# Altium PCB VOU_SOM_CV_V0.0.1.PcbDoc (part 3 of 4)
Units mm, origin at the board's own origin, x right, y up, seen from the top; angles counter-clockwise.
Board outline 61 x 95 mm, 6 copper layers (Top Layer, PWR1, INT1, INT2, PWR2, Bottom Layer), stack 1.205 mm thick; 473 components, 642 nets, 2975 pads, 831 vias.
Unrouted connection lines stored in the file: 1493.
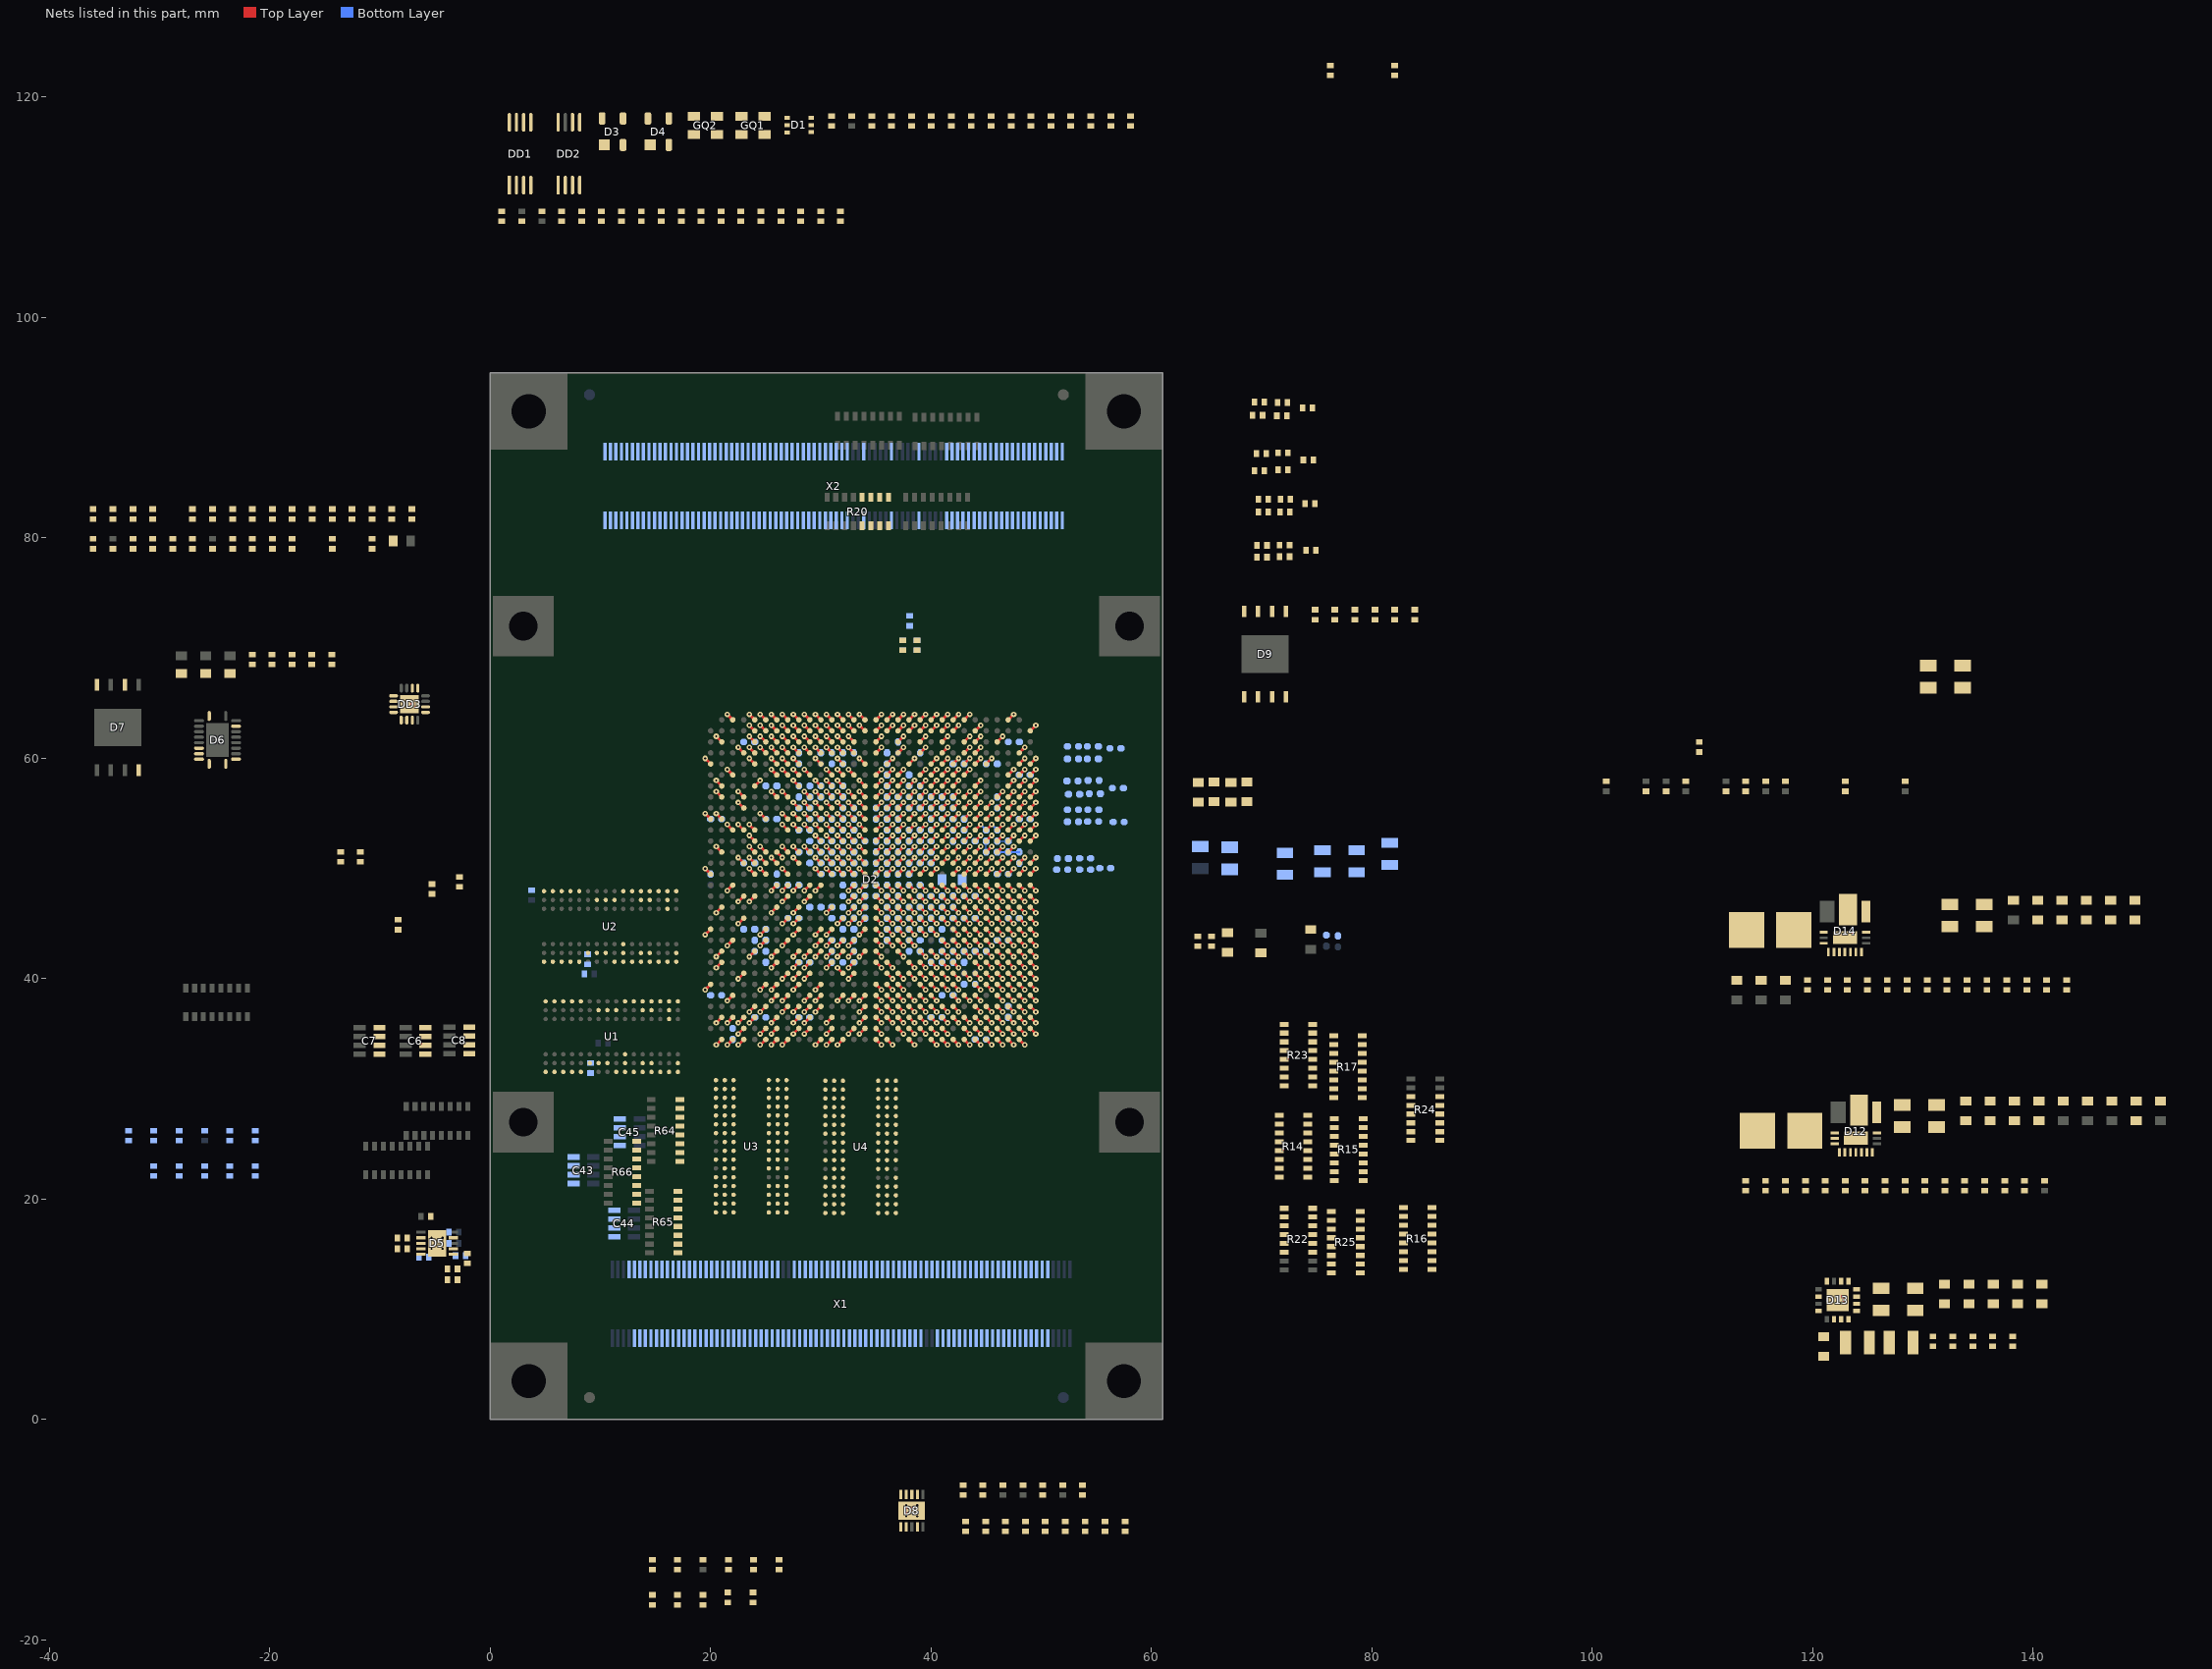
[diagram p3: the nets of this part, all layers, seen from the top]

## Via types
v1: diameter 0.5, hole 0.2, Top Layer to Bottom Layer, 831 vias

## Nets (pads, with @x,y where several pads share a name; then routed paths per layer and width w, separated by ;. In a path a pad name is that pad's centre, name@x,y a point inside that pad or via, vN(x,y) a via of type N, cw(c..) or ccw(c..) an arc to the next point about the centre after c; other vN are vias at no path point) (continued)
GND: C6.1 C6.2 C6.3 C6.4 C7.1 C7.2 C7.3 C7.4 C8.1 C8.2 C8.3 C8.4 C9.1 C10.1 C15.2 C16.2 C17.2 C18.2 C19.2 C20.2 C34.1 C35.1 C42.1 C43.1 C43.2 C43.3 C43.4 C44.1 C44.2 C44.3 C44.4 C45.1 C45.2 C45.3 C45.4 C46.2 C47.2 C48.2 C49.2 C50.2 C51.2 C52.1 C53.1 C54.1 C55.1 C56.1 C57.1 C60.1 C61.1 C62.1 C63.1 C64.1 C68.2 C69.2 C70.1 C72.2 C73.2 C75.2 C76.2 C77.2 C78.2 C79.2 C80.2 C81.1 C87.2 C88.2 C89.2 C90.2 C91.2 C92.2 C94.2 C95.2 C96.2 C97.2 C98.2 C99.2 C100.2 C101.1 C103.1 C105.1 C106.1 C107.1 C108.1 C109.1 C110.1 C111.1 C112.2 C113.1 C114.1 C115.1 C116.1 C117.1 C118.1 C119.1 C120.1 C121.1 C122.1 C123.1 C124.1 C125.1 C126.1 C127.1 C128.1 C129.1 C130.1 C131.1 C132.1 C133.1 C134.1 C135.1 C136.1 C137.2 C138.1 C139.1 C140.1 C141.1 C142.1 C143.1 C144.1 C145.1 C146.1 C147.1 C148.1 C149.1 C150.1 C151.1 C152.1 C153.1 C154.2 C155.1 C156.1 C157.1 C158.1 C159.1 C160.1 C161.1 C162.2 C163.2 C164.1 C165.1 C166.1 C167.2 C168.2 C169.2 C170.2 C171.2 C172.2 C173.2 C174.2 C175.2 C176.1 C177.1 C178.1 C179.1 C180.2 C181.2 C182.2 C183.2 C184.2 C185.2 C186.2 C187.2 C188.2 C189.2 C190.2 C191.2 C192.2 C193.2 C194.1 C195.1 C196.1 C197.1 C198.1 C199.1 C200.1 C201.1 C202.2 C203.2 C204.2 C205.2 C206.1 C207.1 C208.1 C209.1 C210.1 C211.1 C212.1 C213.1 C214.1 C215.1 C216.1 C217.1 C218.1 C219.1 C220.1 C221.1 C222.1 C223.1 C224.1 C225.1 C226.1 C227.2 C228.2 C230.1 C231.1 C232.1 C233.1 C234.1 C235.1 C236.1 C237.1 C238.1 C239.1 C240.1 C241.1 C242.1 C243.1 C244.1 C245.1 C246.2 C247.2 C249.1 C250.1 C251.1 C252.1 C253.1 C254.1 C255.1 C256.1 C257.1 C258.1 C259.1 C260.1 C261.1 C262.1 C263.1 C264.1 C265.1 C266.1 C268.2 D2.A2 D2.A12 D2.A17 D2.A22 D2.A26 D2.A27 D2.AA3 D2.AA4 D2.AA6 D2.AA9 D2.AA11 D2.AA22 D2.AA29 D2.AB1 D2.AB2 D2.AB5 D2.AB7 D2.AB19 D2.AB29 D2.AC3 D2.AC4 D2.AC6 D2.AC8 D2.AC16 D2.AC24 D2.AC26 D2.AD1 D2.AD2 D2.AD5 D2.AD6 D2.AD23 D2.AE3 D2.AE4 D2.AE10 D2.AE20 D2.AF1 D2.AF2 D2.AF3 D2.AF12 D2.AF15 D2.AF17 D2.AF27 D2.AG9 D2.AG14 D2.AG24 D2.AH1 D2.AH6 D2.AH11 D2.AH21 D2.AH28 D2.AJ3 D2.AJ7 D2.AJ10 D2.AJ18 D2.AJ22 D2.AJ28 D2.AJ30 D2.AK5 D2.AK15 D2.AK25 D2.B9 D2.B10 D2.B14 D2.B19 D2.B24 D2.B29 D2.C1 D2.C6 D2.C16 D2.C21 D2.C26 D2.D3 D2.D13 D2.D23 D2.D26 D2.E10 D2.E22 D2.E25 D2.E30 D2.F2 D2.F5 D2.F7 D2.F17 D2.F27 D2.G3 D2.G4 D2.G5 D2.G24 D2.H1 D2.H2 D2.H5 D2.H11 D2.J3 D2.J4 D2.J6 D2.J8 D2.J18 D2.J22 D2.J28 D2.K1 D2.K2 D2.K5 D2.K10 D2.K15 D2.K20 D2.K25 D2.L3 D2.L4 D2.L6 D2.L11 D2.L13 D2.L15 D2.L17 D2.L19 D2.L22 D2.M1 D2.M2 D2.M5 D2.M7 D2.M8 D2.M10 D2.M12 D2.M14 D2.M16 D2.M18 D2.M20 D2.M29 D2.N3 D2.N4 D2.N6 D2.N8 D2.N9 D2.N11 D2.N13 D2.N15 D2.N17 D2.N19 D2.N26 D2.P1 D2.P2 D2.P5 D2.P7 D2.P10 D2.P12 D2.P14 D2.P16 D2.P18 D2.P20 D2.R3 D2.R4 D2.R6 D2.R8 D2.R9 D2.R11 D2.R13 D2.R15 D2.R17 D2.R30 D2.T1 D2.T2 D2.T5 D2.T7 D2.T10 D2.T12 D2.T14 D2.T15 D2.T16 D2.T18 D2.T20 D2.T27 D2.U3 D2.U4 D2.U6 D2.U9 D2.U11 D2.U13 D2.U15 D2.U17 D2.U22 D2.U24 D2.U29 D2.V1 D2.V2 D2.V5 D2.V7 D2.V10 D2.V12 D2.V14 D2.V19 D2.V21 D2.W3 D2.W4 D2.W6 D2.W9 D2.W11 D2.W13 D2.W18 D2.W28 D2.Y1 D2.Y2 D2.Y5 D2.Y7 D2.Y8 D2.Y10 D2.Y12 D2.Y14 D2.Y15 D2.Y20 D2.Y25 D2.Y27 D2.Y30 D5.4 D5.8 D5.11 D6.11 D7.4 D8.4 D8.8 D8.11 D9.4 D12.11 D13.14 D14.11 DD3.1 DD3.4 DD3.7 DD3.17 R28.1 R30.1 R32.1 R33.1 R47.2 R48.2 R57.2 R59.1 R62.1 R68.2 R69.1 R70.2 R72.1 R76.1 R124.1 R127.1 R138.1 R150.1 R157.1 R159.2 R163.1 R168.1 R190.1 U1.A9 U1.B1 U1.B3 U1.B9 U1.D1 U1.D8 U1.E1 U1.E2 U1.E8 U1.F9 U1.G1 U1.G8 U1.G9 U1.J2 U1.J8 U1.M1 U1.M9 U1.P1 U1.P9 U1.T1 U1.T9 U2.A9 U2.B1 U2.B3 U2.B9 U2.D1 U2.D8 U2.E1 U2.E2 U2.E8 U2.F9 U2.G1 U2.G8 U2.G9 U2.J2 U2.J8 U2.M1 U2.M9 U2.P1 U2.P9 U2.T1 U2.T9 U3.A9 U3.B1 U3.B3 U3.B9 U3.D1 U3.D8 U3.E1 U3.E2 U3.E8 U3.F9 U3.G1 U3.G8 U3.G9 U3.J2 U3.J8 U3.M1 U3.M9 U3.P1 U3.P9 U3.T1 U3.T9 U4.A9 U4.B1 U4.B3 U4.B9 U4.D1 U4.D8 U4.E1 U4.E2 U4.E8 U4.F9 U4.G1 U4.G8 U4.G9 U4.J2 U4.J8 U4.M1 U4.M9 U4.P1 U4.P9 U4.T1 U4.T9 X1.8 X1.9 X1.12 X1.13 X1.16 X1.17 X1.20 X1.21 X1.24 X1.25 X1.28 X1.29 X1.32 X1.33 X1.36 X1.37 X1.40 X1.41 X1.44 X1.45 X1.48 X1.49 X1.75 X1.76 X1.85 X1.86 X1.95 X1.96 X1.97 X1.101 X1.105 X1.109 X1.113 X1.120 X1.121 X1.146 X1.151 X2.1 X2.4 X2.5 X2.8 X2.9 X2.12 X2.13 X2.16 X2.17 X2.20 X2.21 X2.24 X2.25 X2.28 X2.29 X2.32 X2.33 X2.36 X2.37 X2.40 X2.41 X2.44 X2.86 X2.87 X2.90 X2.91 X2.94 X2.95 X2.98 X2.99 X2.102 X2.103 X2.106 X2.107 X2.110 X2.111 X2.114 X2.115 X2.118 X2.119 X2.122 X2.123 X2.126 X2.127 X2.130 X2.131 X2.134 X2.135 X2.138 X2.139 X2.142 X2.143 X2.146 X2.147 X2.150 X2.151 X2.154 X2.155 X2.158 X2.159 X2.162 X2.163 X2.166 X2.167 | length 149.2
  Top Layer w0.25: v1(19.5,39) D2.AK25@20,39.5 ; v1(19.5,50) D2.AK15@20,49.5 ; v1(19.5,60) D2.AK5@20,59.5 ; v1(20.5,34) D2.AJ30@21,34.5 ; v1(20.5,36) D2.AJ28@21,36.5 ; v1(20.5,42) D2.AJ22@21,42.5 ; v1(20.5,46) D2.AJ18@21,46.5 ; v1(20.5,55) D2.AJ10@21,54.5 ; v1(20.5,58) D2.AJ7@21,57.5 ; v1(20.5,62) D2.AJ3@21,61.5 ; v1(21.5,36) D2.AH28@22,36.5 ; v1(21.5,43) D2.AH21@22,43.5 ; v1(21.5,54) D2.AH11@22,53.5 ; v1(21.5,59) D2.AH6@22,58.5 ; v1(21.5,64) D2.AH1@22,63.5 ; v1(22.5,40) D2.AG24@23,40.5 ; v1(22.5,51) D2.AG14@23,50.5 ; v1(22.5,56) D2.AG9@23,55.5 ; v1(23.5,37) D2.AF27@24,37.5 ; v1(23.5,47) D2.AF17@24,47.5 ; v1(23.5,50) D2.AF15@24,49.5 ; v1(23.5,53) D2.AF12@24,52.5 ; v1(23.5,62) D2.AF3@24,61.5 ; v1(23.5,63) D2.AF2@24,62.5 ; v1(23.5,64) D2.AF1@24,63.5 ; v1(24.5,44) D2.AE20@25,44.5 ; v1(24.5,55) D2.AE10@25,54.5 ; v1(24.5,61) D2.AE4@25,60.5 ; v1(24.5,62) D2.AE3@25,61.5 ; v1(25.5,41) D2.AD23@26,41.5 ; v1(25.5,59) D2.AD6@26,58.5 ; v1(25.5,60) D2.AD5@26,59.5 ; v1(25.5,63) D2.AD2@26,62.5 ; v1(25.5,64) D2.AD1@26,63.5 ; v1(26.5,38) D2.AC26@27,38.5 ; v1(26.5,40) D2.AC24@27,40.5 ; v1(26.5,48) D2.AC16@27,48.5 ; v1(26.5,57) D2.AC8@27,56.5 ; v1(26.5,59) D2.AC6@27,58.5 ; v1(26.5,61) D2.AC4@27,60.5 ; v1(26.5,62) D2.AC3@27,61.5 ; v1(27.5,35) D2.AB29@28,35.5 ; v1(27.5,45) D2.AB19@28,45.5 ; v1(27.5,58) D2.AB7@28,57.5 ; v1(27.5,60) D2.AB5@28,59.5 ; v1(27.5,63) D2.AB2@28,62.5 ; v1(27.5,64) D2.AB1@28,63.5 ; v1(28.5,35) D2.AA29@29,35.5 ; v1(28.5,42) D2.AA22@29,42.5 ; v1(28.5,54) D2.AA11@29,53.5 ; v1(28.5,56) D2.AA9@29,55.5 ; v1(28.5,59) D2.AA6@29,58.5 ; v1(28.5,61) D2.AA4@29,60.5 ; v1(28.5,62) D2.AA3@29,61.5 ; v1(29.5,34) D2.Y30@30,34.5 ; v1(29.5,37) D2.Y27@30,37.5 ; v1(29.5,39) D2.Y25@30,39.5 ; v1(29.5,44) D2.Y20@30,44.5 ; v1(29.5,50) D2.Y15@30,49.5 ; v1(29.5,51) D2.Y14@30,50.5 ; v1(29.5,53) D2.Y12@30,52.5 ; v1(29.5,55) D2.Y10@30,54.5 ; v1(29.5,57) D2.Y8@30,56.5 ; v1(29.5,58) D2.Y7@30,57.5 ; v1(29.5,60) D2.Y5@30,59.5 ; v1(29.5,63) D2.Y2@30,62.5 ; v1(29.5,64) D2.Y1@30,63.5 ; v1(30.5,36) D2.W28@31,36.5 ; v1(30.5,46) D2.W18@31,46.5 ; v1(30.5,52) D2.W13@31,51.5 ; v1(30.5,54) D2.W11@31,53.5 ; v1(30.5,56) D2.W9@31,55.5 ; v1(30.5,59) D2.W6@31,58.5 ; v1(30.5,61) D2.W4@31,60.5 ; v1(30.5,62) D2.W3@31,61.5 ; v1(31.5,43) D2.V21@32,43.5 ; v1(31.5,45) D2.V19@32,45.5 ; v1(31.5,51) D2.V14@32,50.5 ; v1(31.5,53) D2.V12@32,52.5 ; v1(31.5,55) D2.V10@32,54.5 ; v1(31.5,58) D2.V7@32,57.5 ; v1(31.5,60) D2.V5@32,59.5 ; v1(31.5,63) D2.V2@32,62.5 ; v1(31.5,64) D2.V1@32,63.5 ; v1(32.5,35) D2.U29@33,35.5 ; v1(32.5,40) D2.U24@33,40.5 ; v1(32.5,42) D2.U22@33,42.5 ; v1(32.5,47) D2.U17@33,47.5 ; v1(32.5,50) D2.U15@33,49.5 ; v1(32.5,52) D2.U13@33,51.5 ; v1(32.5,54) D2.U11@33,53.5 ; v1(32.5,56) D2.U9@33,55.5 ; v1(32.5,59) D2.U6@33,58.5 ; v1(32.5,61) D2.U4@33,60.5 ; v1(32.5,62) D2.U3@33,61.5 ; v1(33.5,37) D2.T27@34,37.5 ; v1(33.5,44) D2.T20@34,44.5 ; v1(33.5,46) D2.T18@34,46.5 ; v1(33.5,48) D2.T16@34,48.5 ; v1(33.5,50) D2.T15@34,49.5 ; v1(33.5,51) D2.T14@34,50.5 ; v1(33.5,53) D2.T12@34,52.5 ; v1(33.5,55) D2.T10@34,54.5 ; v1(33.5,58) D2.T7@34,57.5 ; v1(33.5,60) D2.T5@34,59.5 ; v1(33.5,63) D2.T2@34,62.5 ; v1(33.5,64) D2.T1@34,63.5 ; D2.R30@35,34.5 v1(35.5,34) ; D2.R17@35,47.5 v1(35.5,47) ; D2.R15@35,49.5 v1(35.5,50) ; D2.R13@35,51.5 v1(35.5,52) ; D2.R11@35,53.5 v1(35.5,54) ; D2.R9@35,55.5 v1(35.5,56) ; D2.R8@35,56.5 v1(35.5,57) ; D2.R6@35,58.5 v1(35.5,59) ; D2.R4@35,60.5 v1(35.5,61) ; D2.R3@35,61.5 v1(35.5,62) ; D2.P20@36,44.5 v1(36.5,44) ; D2.P18@36,46.5 v1(36.5,46) ; D2.P16@36,48.5 v1(36.5,48) ; D2.P14@36,50.5 v1(36.5,51) ; D2.P12@36,52.5 v1(36.5,53) ; D2.P10@36,54.5 v1(36.5,55) ; D2.P7@36,57.5 v1(36.5,58) ; D2.P5@36,59.5 v1(36.5,60) ; D2.P2@36,62.5 v1(36.5,63) ; D2.P1@36,63.5 v1(36.5,64) ; D2.N26@37,38.5 v1(37.5,38) ; D2.N19@37,45.5 v1(37.5,45) ; D2.N17@37,47.5 v1(37.5,47) ; D2.N15@37,49.5 v1(37.5,50) ; D2.N13@37,51.5 v1(37.5,52) ; D2.N11@37,53.5 v1(37.5,54) ; D2.N9@37,55.5 v1(37.5,56) ; D2.N8@37,56.5 v1(37.5,57) ; D2.N6@37,58.5 v1(37.5,59) ; D2.N4@37,60.5 v1(37.5,61) ; D2.N3@37,61.5 v1(37.5,62) ; D2.M29@38,35.5 v1(38.5,35) ; D2.M20@38,44.5 v1(38.5,44) ; D2.M18@38,46.5 v1(38.5,46) ; D2.M16@38,48.5 v1(38.5,48) ; D2.M14@38,50.5 v1(38.5,51) ; D2.M12@38,52.5 v1(38.5,53) ; D2.M10@38,54.5 v1(38.5,55) ; D2.M8@38,56.5 v1(38.5,57) ; D2.M7@38,57.5 v1(38.5,58) ; D2.M5@38,59.5 v1(38.5,60) ; D2.M2@38,62.5 v1(38.5,63) ; D2.M1@38,63.5 v1(38.5,64) ; D2.L22@39,42.5 v1(39.5,42) ; D2.L19@39,45.5 v1(39.5,45) ; D2.L17@39,47.5 v1(39.5,47) ; D2.L15@39,49.5 v1(39.5,50) ; D2.L13@39,51.5 v1(39.5,52) ; D2.L11@39,53.5 v1(39.5,54) ; D2.L6@39,58.5 v1(39.5,59) ; D2.L4@39,60.5 v1(39.5,61) ; D2.L3@39,61.5 v1(39.5,62) ; D2.K25@40,39.5 v1(40.5,39) ; D2.K20@40,44.5 v1(40.5,44) ; D2.K15@40,49.5 v1(40.5,50) ; D2.K10@40,54.5 v1(40.5,55) ; D2.K5@40,59.5 v1(40.5,60) ; D2.K2@40,62.5 v1(40.5,63) ; D2.K1@40,63.5 v1(40.5,64) ; D2.J28@41,36.5 v1(41.5,36) ; D2.J22@41,42.5 v1(41.5,42) ; D2.J18@41,46.5 v1(41.5,46) ; D2.J8@41,56.5 v1(41.5,57) ; D2.J6@41,58.5 v1(41.5,59) ; D2.J4@41,60.5 v1(41.5,61) ; D2.J3@41,61.5 v1(41.5,62) ; D2.H11@42,53.5 v1(42.5,54) ; D2.H5@42,59.5 v1(42.5,60) ; D2.H2@42,62.5 v1(42.5,63) ; D2.H1@42,63.5 v1(42.5,64) ; D2.G24@43,40.5 v1(43.5,40) ; D2.G5@43,59.5 v1(43.5,60) ; D2.G4@43,60.5 v1(43.5,61) ; D2.G3@43,61.5 v1(43.5,62) ; D2.F27@44,37.5 v1(44.5,37) ; D2.F17@44,47.5 v1(44.5,47) ; D2.F7@44,57.5 v1(44.5,58) ; D2.F5@44,59.5 v1(44.5,60) ; D2.F2@44,62.5 v1(44.5,63) ; D2.E30@45,34.5 v1(45.5,34) ; D2.E25@45,39.5 v1(45.5,39) ; D2.E22@45,42.5 v1(45.5,42) ; D2.E10@45,54.5 v1(45.5,55) ; D2.D26@46,38.5 v1(46.5,38) ; D2.D23@46,41.5 v1(46.5,41) ; D2.D13@46,51.5 v1(46.5,52) ; D2.D3@46,61.5 v1(46.5,62) ; D2.C26@47,38.5 v1(47.5,38) ; D2.C21@47,43.5 v1(47.5,43) ; D2.C16@47,48.5 v1(47.5,48) ; D2.C6@47,58.5 v1(47.5,59) ; D2.C1@47,63.5 v1(47.5,64) ; D2.B29@48,35.5 v1(48.5,35) ; D2.B24@48,40.5 v1(48.5,40) ; D2.B19@48,45.5 v1(48.5,45) ; D2.B14@48,50.5 v1(48.5,51) ; D2.B10@48,54.5 v1(48.5,55) ; D2.B9@48,55.5 v1(48.5,56) ; D2.A27@49,37.5 v1(49.5,37) ; D2.A26@49,38.5 v1(49.5,38) ; D2.A22@49,42.5 v1(49.5,42) ; D2.A17@49,47.5 v1(49.5,47) ; D2.A12@49,52.5 v1(49.5,53) ; D2.A2@49,62.5 v1(49.5,63)
  other v1: 37.75,-8.775 38.75,-8.775 37.75,-7.775 38.75,-7.775 -5.325,15.5 -4.325,15.5 -5.325,16.5 -4.325,16.5
GND_A: C82.1 D12.4 D12.17 R132.2 R140.1 R142.1 R150.2
GND_B: C102.1 D14.4 D14.17 R162.2 R166.1 R167.1 R168.2
GND_D: D13.4 D13.8 D13.17 R163.2
GXB_REF_CKI_N: D2.T8 X2.120 | length 0.7
  Top Layer w0.25: v1(33.5,57) D2.T8@34,56.5
GXB_REF_CKI_P: D2.T9 X2.124 | length 0.7
  Top Layer w0.25: v1(33.5,56) D2.T9@34,55.5
GXB_REF_CKO_N: D2.W7 X2.121 | length 0.7
  Top Layer w0.25: v1(30.5,58) D2.W7@31,57.5
GXB_REF_CKO_P: D2.W8 X2.125 | length 0.7
  Top Layer w0.25: v1(30.5,57) D2.W8@31,56.5
GXB_RXA0_N: D2.U1 X2.88 | length 0.7
  Top Layer w0.25: v1(32.5,64) D2.U1@33,63.5
GXB_RXA0_P: D2.U2 X2.92 | length 0.7
  Top Layer w0.25: v1(32.5,63) D2.U2@33,62.5
GXB_RXA1_N: D2.R1 X2.96 | length 0.7
  Top Layer w0.25: D2.R1@35,63.5 v1(35.5,64)
GXB_RXA1_P: D2.R2 X2.100 | length 0.7
  Top Layer w0.25: D2.R2@35,62.5 v1(35.5,63)
GXB_RXA2_N: D2.N1 X2.104 | length 0.7
  Top Layer w0.25: D2.N1@37,63.5 v1(37.5,64)
GXB_RXA2_P: D2.N2 X2.108 | length 0.7
  Top Layer w0.25: D2.N2@37,62.5 v1(37.5,63)
GXB_RXA3_N: D2.L1 X2.112 | length 0.7
  Top Layer w0.25: D2.L1@39,63.5 v1(39.5,64)
GXB_RXA3_P: D2.L2 X2.116 | length 0.7
  Top Layer w0.25: D2.L2@39,62.5 v1(39.5,63)
GXB_TXA0_N: C25.2 X2.89
GXB_TXA0_P: C24.2 X2.93
GXB_TXA1_N: C27.2 X2.97
GXB_TXA1_P: C26.2 X2.101
GXB_TXA2_N: C29.2 X2.105
GXB_TXA2_P: C28.2 X2.109
GXB_TXA3_N: C31.2 X2.113
GXB_TXA3_P: C30.2 X2.117
GXB_TXA_C0_N: C25.1 D2.AD3 | length 0.7
  Top Layer w0.25: v1(25.5,62) D2.AD3@26,61.5
GXB_TXA_C0_P: C24.1 D2.AD4 | length 0.7
  Top Layer w0.25: v1(25.5,61) D2.AD4@26,60.5
GXB_TXA_C1_N: C27.1 D2.AB3 | length 0.7
  Top Layer w0.25: v1(27.5,62) D2.AB3@28,61.5
GXB_TXA_C1_P: C26.1 D2.AB4 | length 0.7
  Top Layer w0.25: v1(27.5,61) D2.AB4@28,60.5
GXB_TXA_C2_N: C29.1 D2.Y3 | length 0.7
  Top Layer w0.25: v1(29.5,62) D2.Y3@30,61.5
GXB_TXA_C2_P: C28.1 D2.Y4 | length 0.7
  Top Layer w0.25: v1(29.5,61) D2.Y4@30,60.5
GXB_TXA_C3_N: C31.1 D2.V3 | length 0.7
  Top Layer w0.25: v1(31.5,62) D2.V3@32,61.5
GXB_TXA_C3_P: C30.1 D2.V4 | length 0.7
  Top Layer w0.25: v1(31.5,61) D2.V4@32,60.5
HPS_BSL0: D2.A18 D2.H20 D9.1 R16.11 R63.2 R175.2 R180.1 | length 1.4
  Top Layer w0.25: D2.H20@42,44.5 v1(42.5,44) ; D2.A18@49,46.5 v1(49.5,46)
HPS_BSL2: D2.D20 R174.2 | length 0.7
  Top Layer w0.25: D2.D20@46,44.5 v1(46.5,44)
HPS_CAN0_RX: D2.B22 R22.11 | length 0.7
  Top Layer w0.25: D2.B22@48,42.5 v1(48.5,42)
HPS_CAN0_RX_R: R22.6 X1.71
HPS_CAN0_TX: D2.G22 R22.12 | length 0.7
  Top Layer w0.25: D2.G22@43,42.5 v1(43.5,42)
HPS_CAN0_TX_R: R22.5 X1.73
HPS_CAN1_RX: D2.A24 R22.13 | length 0.7
  Top Layer w0.25: D2.A24@49,40.5 v1(49.5,40)
HPS_CAN1_RX_R: R22.4 X1.72
HPS_CAN1_TX: D2.G21 R22.14 | length 0.7
  Top Layer w0.25: D2.G21@43,43.5 v1(43.5,43)
HPS_CAN1_TX_R: R22.3 X1.74
HPS_CLK_25_1: D2.D25 R9.2 | length 0.7
  Top Layer w0.25: D2.D25@46,39.5 v1(46.5,39)
HPS_CLK_25_2: D2.F25 R10.2 | length 0.7
  Top Layer w0.25: D2.F25@44,39.5 v1(44.5,39)
HPS_DDR_A0: D2.F26 R64.8 U3.N3 U4.N3 | length 0.7
  Top Layer w0.25: D2.F26@44,38.5 v1(44.5,38)
HPS_DDR_A1: D2.G30 R64.7 U3.P7 U4.P7 | length 0.7
  Top Layer w0.25: D2.G30@43,34.5 v1(43.5,34)
HPS_DDR_A2: D2.F28 R64.6 U3.P3 U4.P3 | length 0.7
  Top Layer w0.25: D2.F28@44,36.5 v1(44.5,36)
HPS_DDR_A3: D2.F30 R64.5 U3.N2 U4.N2 | length 0.7
  Top Layer w0.25: D2.F30@44,34.5 v1(44.5,34)
HPS_DDR_A4: D2.J25 R64.4 U3.P8 U4.P8 | length 0.7
  Top Layer w0.25: D2.J25@41,39.5 v1(41.5,39)
HPS_DDR_A5: D2.J27 R64.3 U3.P2 U4.P2 | length 0.7
  Top Layer w0.25: D2.J27@41,37.5 v1(41.5,37)
HPS_DDR_A6: D2.F29 R64.2 U3.R8 U4.R8 | length 0.7
  Top Layer w0.25: D2.F29@44,35.5 v1(44.5,35)
HPS_DDR_A7: D2.E28 R64.1 U3.R2 U4.R2 | length 0.7
  Top Layer w0.25: D2.E28@45,36.5 v1(45.5,36)
HPS_DDR_A8: D2.G26 R65.7 U3.T8 U4.T8 | length 0.7
  Top Layer w0.25: D2.G26@43,38.5 v1(43.5,38)
HPS_DDR_A9: D2.H27 R65.8 U3.R3 U4.R3 | length 0.7
  Top Layer w0.25: D2.H27@42,37.5 v1(42.5,37)
HPS_DDR_A10: D2.D29 R65.6 U3.L7 U4.L7 | length 0.7
  Top Layer w0.25: D2.D29@46,35.5 v1(46.5,35)
HPS_DDR_A11: D2.C30 R65.5 U3.R7 U4.R7 | length 0.7
  Top Layer w0.25: D2.C30@47,34.5 v1(47.5,34)
HPS_DDR_A12: D2.B30 R65.4 U3.N7 U4.N7 | length 0.7
  Top Layer w0.25: D2.B30@48,34.5 v1(48.5,34)
HPS_DDR_A13: D2.C29 R65.3 U3.T3 U4.T3 | length 0.7
  Top Layer w0.25: D2.C29@47,35.5 v1(47.5,35)
HPS_DDR_A14: D2.H25 R65.2 U3.T7 U4.T7 | length 0.7
  Top Layer w0.25: D2.H25@42,39.5 v1(42.5,39)
HPS_DDR_BA0: D2.E29 R65.1 U3.M2 U4.M2 | length 0.7
  Top Layer w0.25: D2.E29@45,35.5 v1(45.5,35)
HPS_DDR_BA1: D2.J24 R66.8 U3.N8 U4.N8 | length 0.7
  Top Layer w0.25: D2.J24@41,40.5 v1(41.5,40)
HPS_DDR_BA2: D2.J23 R66.7 U3.M3 U4.M3 | length 0.7
  Top Layer w0.25: D2.J23@41,41.5 v1(41.5,41)
HPS_DDR_CAS#: D2.E27 R66.4 U3.K3 U4.K3 | length 0.7
  Top Layer w0.25: D2.E27@45,37.5 v1(45.5,37)
HPS_DDR_CK_H_N: D2.L23 R67.1 U3.K7 U4.K7 | length 0.7
  Top Layer w0.25: D2.L23@39,41.5 v1(39.5,41)
HPS_DDR_CK_H_P: D2.M23 R67.2 U3.J7 U4.J7 | length 0.7
  Top Layer w0.25: D2.M23@38,41.5 v1(38.5,41)
HPS_DDR_CKE: D2.L29 R66.6 R72.2 U3.K9 U4.K9 | length 0.7
  Top Layer w0.25: D2.L29@39,35.5 v1(39.5,35)
HPS_DDR_CS#: D2.H24 R66.2 U3.L2 U4.L2 | length 0.7
  Top Layer w0.25: D2.H24@42,40.5 v1(42.5,40)
HPS_DDR_D0: D2.K23 U4.E3 | length 0.7
  Top Layer w0.25: D2.K23@40,41.5 v1(40.5,41)
HPS_DDR_D1: D2.K22 U4.F7 | length 0.7
  Top Layer w0.25: D2.K22@40,42.5 v1(40.5,42)
HPS_DDR_D2: D2.H30 U4.F2 | length 0.7
  Top Layer w0.25: D2.H30@42,34.5 v1(42.5,34)
HPS_DDR_D3: D2.G28 U4.F8 | length 0.7
  Top Layer w0.25: D2.G28@43,36.5 v1(43.5,36)
HPS_DDR_D4: D2.L25 U4.H3 | length 0.7
  Top Layer w0.25: D2.L25@39,39.5 v1(39.5,39)
HPS_DDR_D5: D2.L24 U4.H8 | length 0.7
  Top Layer w0.25: D2.L24@39,40.5 v1(39.5,40)
HPS_DDR_D6: D2.J30 U4.G2 | length 0.7
  Top Layer w0.25: D2.J30@41,34.5 v1(41.5,34)
HPS_DDR_D7: D2.J29 U4.H7 | length 0.7
  Top Layer w0.25: D2.J29@41,35.5 v1(41.5,35)
HPS_DDR_D8: D2.K26 U4.D7 | length 0.7
  Top Layer w0.25: D2.K26@40,38.5 v1(40.5,38)
HPS_DDR_D9: D2.L26 U4.C3 | length 0.7
  Top Layer w0.25: D2.L26@39,38.5 v1(39.5,38)
HPS_DDR_D10: D2.K29 U4.C8 | length 0.7
  Top Layer w0.25: D2.K29@40,35.5 v1(40.5,35)
HPS_DDR_D11: D2.K27 U4.C2 | length 0.7
  Top Layer w0.25: D2.K27@40,37.5 v1(40.5,37)
HPS_DDR_D12: D2.M26 U4.A7 | length 0.7
  Top Layer w0.25: D2.M26@38,38.5 v1(38.5,38)
HPS_DDR_D13: D2.M27 U4.A2 | length 0.7
  Top Layer w0.25: D2.M27@38,37.5 v1(38.5,37)
HPS_DDR_D14: D2.L28 U4.B8 | length 0.7
  Top Layer w0.25: D2.L28@39,36.5 v1(39.5,36)
HPS_DDR_D15: D2.M30 U4.A3 | length 0.7
  Top Layer w0.25: D2.M30@38,34.5 v1(38.5,34)
HPS_DDR_D16: D2.U26 U3.E3 | length 0.7
  Top Layer w0.25: v1(32.5,38) D2.U26@33,38.5
HPS_DDR_D17: D2.T26 U3.F7 | length 0.7
  Top Layer w0.25: v1(33.5,38) D2.T26@34,38.5
HPS_DDR_D18: D2.N29 U3.F2 | length 0.7
  Top Layer w0.25: D2.N29@37,35.5 v1(37.5,35)
HPS_DDR_D19: D2.N28 U3.F8 | length 0.7
  Top Layer w0.25: D2.N28@37,36.5 v1(37.5,36)
HPS_DDR_D20: D2.P26 U3.H3 | length 0.7
  Top Layer w0.25: D2.P26@36,38.5 v1(36.5,38)
HPS_DDR_D21: D2.P27 U3.H8 | length 0.7
  Top Layer w0.25: D2.P27@36,37.5 v1(36.5,37)
HPS_DDR_D22: D2.N27 U3.G2 | length 0.7
  Top Layer w0.25: D2.N27@37,37.5 v1(37.5,37)
HPS_DDR_D23: D2.R29 U3.H7 | length 0.7
  Top Layer w0.25: D2.R29@35,35.5 v1(35.5,35)
HPS_DDR_D24: D2.P24 U3.D7 | length 0.7
  Top Layer w0.25: D2.P24@36,40.5 v1(36.5,40)
HPS_DDR_D25: D2.P25 U3.C3 | length 0.7
  Top Layer w0.25: D2.P25@36,39.5 v1(36.5,39)
HPS_DDR_D26: D2.T29 U3.C8 | length 0.7
  Top Layer w0.25: v1(33.5,35) D2.T29@34,35.5
HPS_DDR_D27: D2.T28 U3.C2 | length 0.7
  Top Layer w0.25: v1(33.5,36) D2.T28@34,36.5
HPS_DDR_D28: D2.R27 U3.A7 | length 0.7
  Top Layer w0.25: D2.R27@35,37.5 v1(35.5,37)
HPS_DDR_D29: D2.R26 U3.A2 | length 0.7
  Top Layer w0.25: D2.R26@35,38.5 v1(35.5,38)
HPS_DDR_D30: D2.V30 U3.B8 | length 0.7
  Top Layer w0.25: v1(31.5,34) D2.V30@32,34.5
HPS_DDR_D31: D2.W29 U3.A3 | length 0.7
  Top Layer w0.25: v1(30.5,35) D2.W29@31,35.5
HPS_DDR_DM0: D2.K28 U4.E7 | length 0.7
  Top Layer w0.25: D2.K28@40,36.5 v1(40.5,36)
HPS_DDR_DM1: D2.M28 U4.D3 | length 0.7
  Top Layer w0.25: D2.M28@38,36.5 v1(38.5,36)
HPS_DDR_DM2: D2.R28 U3.E7 | length 0.7
  Top Layer w0.25: D2.R28@35,36.5 v1(35.5,36)
HPS_DDR_DM3: D2.W30 U3.D3 | length 0.7
  Top Layer w0.25: v1(30.5,34) D2.W30@31,34.5
HPS_DDR_DQS0_N: D2.M19 U4.G3 | length 0.7
  Top Layer w0.25: D2.M19@38,45.5 v1(38.5,45)
HPS_DDR_DQS0_P: D2.N18 U4.F3 | length 0.7
  Top Layer w0.25: D2.N18@37,46.5 v1(37.5,46)
HPS_DDR_DQS1_N: D2.N24 U4.B7 | length 0.7
  Top Layer w0.25: D2.N24@37,40.5 v1(37.5,40)
HPS_DDR_DQS1_P: D2.N25 U4.C7 | length 0.7
  Top Layer w0.25: D2.N25@37,39.5 v1(37.5,39)
HPS_DDR_DQS2_N: D2.R18 U3.G3 | length 0.7
  Top Layer w0.25: D2.R18@35,46.5 v1(35.5,46)
HPS_DDR_DQS2_P: D2.R19 U3.F3 | length 0.7
  Top Layer w0.25: D2.R19@35,45.5 v1(35.5,45)
HPS_DDR_DQS3_N: D2.R21 U3.B7 | length 0.7
  Top Layer w0.25: D2.R21@35,43.5 v1(35.5,43)
HPS_DDR_DQS3_P: D2.R22 U3.C7 | length 0.7
  Top Layer w0.25: D2.R22@35,42.5 v1(35.5,42)
HPS_DDR_ODT: D2.H28 R66.1 U3.K1 U4.K1 | length 0.7
  Top Layer w0.25: D2.H28@42,36.5 v1(42.5,36)
HPS_DDR_RAS#: D2.D30 R66.3 U3.J3 U4.J3 | length 0.7
  Top Layer w0.25: D2.D30@46,34.5 v1(46.5,34)
HPS_DDR_RST#: D2.P30 R71.2 U3.T2 U4.T2 | length 0.7
  Top Layer w0.25: D2.P30@36,34.5 v1(36.5,34)
HPS_DDR_WE#: D2.C28 R66.5 U3.L3 U4.L3 | length 0.7
  Top Layer w0.25: D2.C28@47,36.5 v1(47.5,36)
HPS_FLASH_D0: D2.C20 D9.5 | length 0.7
  Top Layer w0.25: D2.C20@47,44.5 v1(47.5,44)
HPS_FLASH_D1: D2.H18 D9.2 | length 0.7
  Top Layer w0.25: D2.H18@42,46.5 v1(42.5,46)
HPS_FLASH_D2: D2.A19 D9.3 | length 0.7
  Top Layer w0.25: D2.A19@49,45.5 v1(49.5,45)
HPS_FLASH_D3: D2.E19 D9.7 | length 0.7
  Top Layer w0.25: D2.E19@45,45.5 v1(45.5,45)
HPS_FLASH_DCLK: D2.D19 R194.2 | length 0.7
  Top Layer w0.25: D2.D19@46,45.5 v1(46.5,45)
HPS_GPIO0: D2.C19 R25.11 | length 0.7
  Top Layer w0.25: D2.C19@47,45.5 v1(47.5,45)
HPS_GPIO0_R: R25.6 X1.106
HPS_GPIO1: D2.B17 R25.12 | length 0.7
  Top Layer w0.25: D2.B17@48,47.5 v1(48.5,47)
HPS_GPIO1_R: R25.5 X1.153
HPS_GPIO2: D2.H17 R25.13 | length 0.7
  Top Layer w0.25: D2.H17@42,47.5 v1(42.5,47)
HPS_GPIO2_R: R25.4 X1.155
HPS_GPIO3: D2.C18 R25.14 | length 0.7
  Top Layer w0.25: D2.C18@47,46.5 v1(47.5,46)
HPS_GPIO3_R: R25.3 X1.157